# Allegro board REF_038HX-888005K4R-A100.brd (continued)
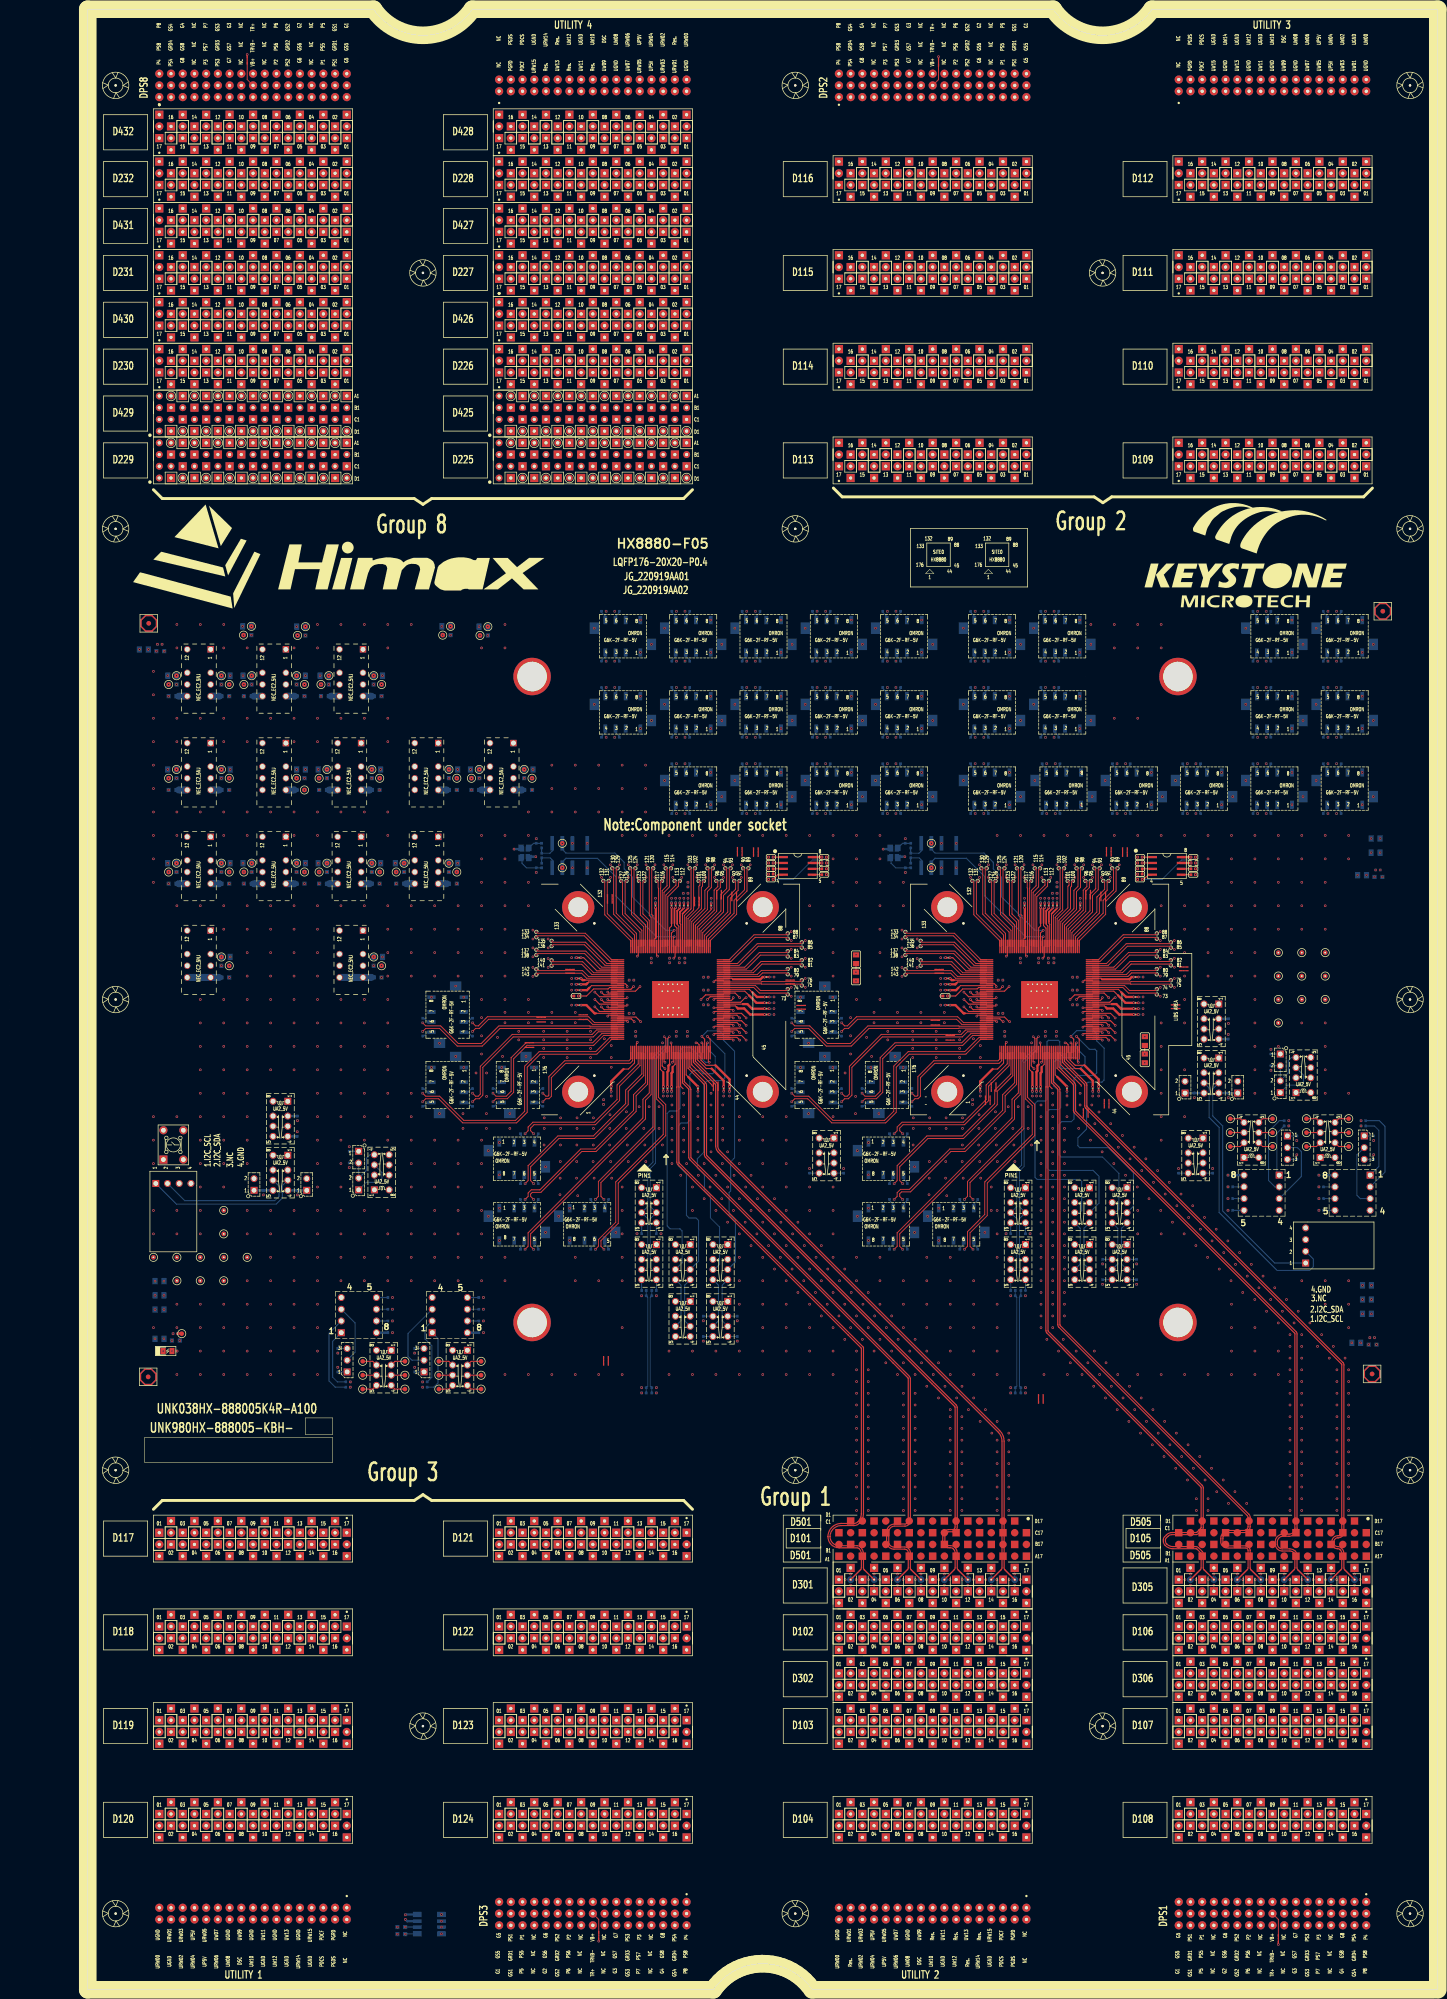
[diagram p0: board, top side]
## Routing (per net, layer and track width the routed paths; a pad name or vN(x,y) marks a point on that pad's centre or on a via; arc(x,y) is an arc through that point) (continued)
1SK1_2: length 3.3
  TOP w0.231: UNK2SK1.2 249.83,182.77 UNK1SK1_2.1
1SK1_3: length 3
  TOP w0.231: UNK2SK1.3 UNK1SK1_3.1
1SK1_4: length 3.3
  TOP w0.231: UNK1SK1_4.1 249.83,188.79 UNK2SK1.4
1SK1_5: length 3.3
  TOP w0.231: UNK1SK1_5.1 254.65,188.79 UNK2SK1.5
1SK1_6: length 3
  TOP w0.231: UNK2SK1.6 UNK1SK1_6.1
1SK1_7: length 3.3
  TOP w0.231: UNK1SK1_7.1 254.65,182.77 UNK2SK1.7
1SK2_2: length 3.3
  TOP w0.231: UNK1SK2_2.1 266.34,182.77 UNK2SK2.2
1SK2_3: length 3
  TOP w0.231: UNK2SK2.3 UNK1SK2_3.1
1SK2_4: length 3.3
  TOP w0.231: UNK2SK2.4 266.34,188.79 UNK1SK2_4.1
1SK2_5: length 3.3
  TOP w0.231: UNK2SK2.5 271.16,188.79 UNK1SK2_5.1
1SK2_6: length 3
  TOP w0.231: UNK2SK2.6 UNK1SK2_6.1
1SK2_7: length 3.3
  TOP w0.231: UNK2SK2.7 271.16,182.77 UNK1SK2_7.1
CSDPS225GS1: length 221.9
  L18_POWER w0.203: SH2.2 83.05,204.25 75.9,211.4 75.9,230.22 72.28,233.83 72.28,298.16 95.49,321.36 95.49,348.54 96.17,349.22 123.34,349.22 126.06,346.5 126.06,328.87 CSDPS225.D2
CSDPS225GS3: length 96.7
  L11_POWER w0.203: SH24.2 136.33,238.49 134.92,239.9 134.92,254.62 136.19,255.89 136.19,313.65 CSDPS225.D4
CSDPS225GS5: length 117.7
  L14_POWER w0.203: SH13.2 140.82,248.47 141.96,249.62 141.96,251.82 141.52,252.27 141.52,262.31 131.87,271.96 131.87,334.79 130.27,336.39 116.51,336.39 116.01,335.88 116.01,328.76 CSDPS225.D6
CSDPS225GS7: length 96.5
  L16_POWER w0.203: SH8.2 112.66,238.05 111.81,238.9 109.74,238.9 106.91,241.73 106.91,317.32 112.03,322.44 CSDPS225.D8
CSDPS225GS9: length 186.7
  L09_POWER w0.203: SH26.2 101.66,220.34 99.34,218.02 94.61,218.02 91.99,220.65 75.25,220.65 56.67,239.23 56.67,244.65 51.45,249.87 51.45,251.38 48.13,254.7 48.13,291.4 78.84,322.11 101.4,322.11 CSDPS225.D10
CSDPS225GS11: length 145.7
  L14_POWER w0.203: SH15.2 144.32,253.11 143.87,253.56 143.87,261.63 133.05,272.45 133.05,340.61 132.11,341.55 111.86,341.55 110.92,340.61 110.92,326.43 109.92,325.43 104.1,325.43 CSDPS225.D12
CSDPS225GS13: length 225.3
  L09_POWER w0.203: CSDPS225.D14 97.94,326.51 104.67,326.51 105.75,327.58 105.75,350.8 106.81,351.86 134.19,351.86 146.76,339.29 146.76,294.43 153.76,287.44 153.76,259.88 155.72,257.92 155.72,228.84 156.32,228.24 156.32,213.97 155.68,213.34 SH6.2
  L13_CBIT w0.203: CSDPS225.A13 98.06,334.01 98.06,328.93 CSDPS225.D14 95.52,328.93 92.98,328.93 CSDPS225.D16
CSDPS225P1: length 35.2
  TOP w0.231: 116.14,199.55 117.21,199.55 118.52,200.86 SITE1.3
  TOP w0.508: v1(113.47,195.75) 113.47,196.88 116.14,199.55
  L18_POWER w0.203: v1(118.77,206.69) 117.44,208.02 111.54,208.02 110.61,207.1 110.61,206.03 109.52,204.94 98.16,204.94 97.83,205.26 SH1.1
  vias: v1(94.6,264.49) v1(94.6,262.58) v1(111.81,192.9) v1(113.47,193.71)
CSDPS225P3: length 28.7
  TOP w0.231: 128.36,231.45 128.36,231.11 128.52,230.95 SITE1.105
  TOP w0.381: v1(129.21,234.54) 129.21,234.45 128.36,233.59 128.36,231.45
  L11_POWER w0.203: v1(129.43,223.59) 130.55,222.47 132.41,222.47 134.57,224.64 134.57,231.98 137.34,234.76 SH23.1
  vias: v1(78.3,264.49) v1(78.3,262.58) v1(129.21,236.58)
CSDPS225P5: length 44
  TOP w0.231: 127.75,231.12 127.75,230.9 128.12,230.53 SITE1.106
  TOP w0.381: v1(128.32,234.54) 128.32,234.39 127.75,233.82 127.75,231.12
  L14_POWER w0.203: SH14.1 141.84,245.35 140.69,244.2 140.69,238.47 139.38,237.15 139.38,228.33 132.81,221.76 127.96,221.76 127.56,222.17 127.56,222.92 v1(128.23,223.59)
  vias: v1(78.3,244.17) v1(78.3,242.26) v1(128.32,236.58) v1(129.1,237.66)
CSDPS225P7: length 45
  TOP w0.231: SITE1.25 127.32,200.56 126.77,200.01
  TOP w0.508: 126.77,200.01 126.77,198.9 126.55,198.68 v1(126.55,195.75)
  L16_POWER w0.203: SH7.1 113.68,227.62 121.76,219.55 121.76,208.6 122.56,207.8 126.46,207.8 v1(127.57,206.69)
  vias: v1(61.99,284.81) v1(61.99,282.9) v1(126.55,193.71)
CSDPS225P9: length 37.5
  TOP w0.231: SITE1.119 122.92,227.79 123.13,228.01 ; SITE1.139 110.36,220.83 107.5,223.69 v1(106.93,223.69)
  TOP w0.508: v1(123.06,234.54) 123.13,234.47 123.13,228.01
  L09_POWER w0.203: SH25.1 121.83,221.14 122.85,222.17 122.85,222.89 v1(122.16,223.59)
  vias: v1(51.85,264.49) v1(51.85,262.58) v1(104.89,223.69) v1(123.06,236.58)
CSDPS225P11: length 49.4
  TOP w0.231: 126.54,231.13 126.54,230.57 126.12,230.15 SITE1.111
  TOP w0.381: 126.54,231.13 v1(126.54,234.54)
  L14_POWER w0.203: SH16.1 145.33,240.67 140.56,235.9 140.56,227.84 133.83,221.1 125.84,221.1 125.24,221.7 125.24,222.71 v1(126.12,223.59)
  vias: v1(68.57,244.17) v1(68.57,242.26) v1(126.54,236.58) v1(130.1,240.04)
CSDPS225P13: length 50.6
  TOP w0.231: SITE1.22 126.12,200.54 ; SITE1.39 132.92,201.49 134.03,200.37 136.06,200.37 ; SITE1.104 128.92,233.21 ; SITE1.147 109.19,217.63 108.73,217.18 ; SITE1.64 141.98,213.63
  TOP w0.381: 128.92,233.21 130.1,234.39 v1(130.1,234.54)
  TOP w0.508: v1(106.93,216.66) 108.21,216.66 108.73,217.18 ; v1(139.12,195.75) 139.12,197.31 136.06,200.37 ; 141.98,213.63 142.98,213.63 143.97,212.64 v1(146.71,212.64) ; 126.12,200.54 125.87,200.28 125.87,199.17 125.66,198.96 v1(125.66,195.75)
  L09_POWER w0.203: v1(148.75,212.64) 148.86,212.54 SH5.1
  vias: v1(61.99,223.85) v1(61.99,221.94) v1(104.89,216.66) v1(125.66,193.71) v1(130.1,236.58) v1(134.48,213.47) v1(139.12,193.71)
CSDPS225PS1: length 219.3
  L18_POWER w0.203: SH1.2 83.04,205.26 76.61,211.7 76.61,230.68 73.07,234.22 73.07,297.93 98.11,322.97 98.11,345.75 98.79,346.42 122.6,346.42 123.41,345.61 123.41,326.84 124.27,325.98 128.13,325.98 CSDPS225.D1
CSDPS225PS3: length 96.4
  L11_POWER w0.203: SH23.2 137.34,239.05 136.83,239.56 136.83,248.36 137.21,248.73 137.21,254.5 138.43,255.72 138.43,313.96 CSDPS225.D3
CSDPS225PS5: length 133.7
  L14_POWER w0.203: SH14.2 141.84,248.48 142.54,249.19 142.54,252.06 142.1,252.51 142.1,262.55 132.45,272.2 132.45,337.15 130.6,339.01 114.14,339.01 113.41,338.27 113.41,326.36 113.92,325.85 117.84,325.85 CSDPS225.D5
CSDPS225PS7: length 97.3
  L16_POWER w0.203: CSDPS225.D7 114.57,323.94 107.65,317.01 107.65,242.04 110.05,239.64 112.12,239.64 113.68,238.08 SH7.2
CSDPS225PS9: length 186.6
  L09_POWER w0.203: SH25.2 101.23,221.14 98.98,218.89 94.97,218.89 92.35,221.52 75.61,221.52 57.54,239.59 57.54,245.01 52.32,250.23 52.32,251.74 49,255.06 49,291.04 79.2,321.24 103.07,321.24 CSDPS225.D9
CSDPS225PS11: length 148.3
  L14_POWER w0.203: SH16.2 145.33,261.03 133.66,272.7 133.66,343.41 132.95,344.11 108.69,344.11 107.98,343.41 107.98,326.9 107.38,326.3 105.77,326.3 CSDPS225.D11
CSDPS225PS13: length 232.3
  L09_POWER w0.203: SH5.2 156.29,212.54 157.14,213.39 157.14,257.82 154.7,260.27 154.7,287.83 147.71,294.82 147.71,339.68 132.98,354.41 104.04,354.41 103.16,353.54 103.16,329.54 102.55,328.92 101.45,328.92 100.19,327.66 CSDPS225.D13
  L13_CBIT w0.203: CSDPS225.D15 95.67,326.24 97.9,326.24 CSDPS225.D13 100.6,328.93 100.6,336.39 100.24,336.75 98.26,336.75 CSDPS225.A14
CSDPS229GS1: length 448.5
  L18_POWER w0.203: CSDPS229.D2 52.4,328.87 52.4,346.5 49.68,349.22 22.51,349.22 21.83,348.54 21.83,296.94 22.79,295.97 22.79,187.62 25.99,184.42 25.99,164.74 39.32,151.41 109.84,151.41 114.05,147.2 157.56,147.2 160.43,150.07 160.43,152.82 162.53,154.92 162.53,157.27 174.67,169.41 177.61,169.41 180.89,172.68 180.89,196.48 185.35,200.95 185.35,205.55 185.62,205.83 2SH2.2
CSDPS229GS3: length 243.7
  L11_POWER w0.203: 2SH24.2 216.33,238.76 214.91,240.17 214.91,254.37 169.51,299.77 169.51,313.27 130.8,351.98 84.22,351.98 57.74,325.5 50.69,325.5 CSDPS229.D4
CSDPS229GS5: length 263.7
  L14_POWER w0.203: CSDPS229.D6 42.21,328.9 42.21,340.93 42.91,341.63 57.3,341.63 62.42,346.74 137.32,346.74 161.42,322.64 192.45,322.64 218.09,297 218.09,260.47 219.1,259.46 219.1,255.13 220.82,253.41 2SH13.2
CSDPS229GS7: length 317.7
  L16_POWER w0.203: 2SH8.2 196.87,194.24 193.02,190.39 189.72,190.39 188.42,189.09 188.42,186.42 186.53,184.53 183.42,184.53 168.41,169.52 118.9,169.52 118.38,170.04 57.77,170.04 51.45,176.35 51.45,193.8 40.26,204.99 40.26,296.13 38.37,298.02 CSDPS229.D8
CSDPS229GS9: length 376.1
  L09_POWER w0.203: CSDPS229.D10 33.29,322.8 13.31,302.83 13.31,292.22 13.72,291.81 13.72,289.43 13.31,289.03 13.31,234.37 20.53,227.16 28.49,227.16 31.53,224.12 31.53,170.66 36.14,166.05 115.76,166.05 117.06,167.34 163.45,167.34 172.91,176.81 174.37,176.81 180.58,183.02 180.58,208.4 179.51,209.47 179.51,216.94 182.91,220.34 2SH26.2
CSDPS229GS11: length 289.6
  L14_POWER w0.203: 2SH15.2 224.32,251.58 220.29,255.61 220.29,259.95 219.27,260.96 219.27,297.49 192.94,323.82 161.91,323.82 133.94,351.79 61.72,351.79 56.64,346.71 37.87,346.71 37.3,346.14 37.3,326.23 36.5,325.43 30.44,325.43 CSDPS229.D12
CSDPS229GS13: length 389.7
  L09_POWER w0.203: CSDPS229.D14 24.28,326.51 31.01,326.51 32.09,327.58 32.09,350.8 33.15,351.86 60.07,351.86 70.17,361.96 136.39,361.96 157.35,341 157.35,327.61 174.54,310.42 231.96,310.42 246.49,295.89 246.49,222.16 237.8,213.47 2SH6.2
  L13_CBIT w0.203: CSDPS229.A13 24.4,334.01 24.4,328.93 CSDPS229.D14 21.86,328.93 19.32,328.93 CSDPS229.D16
CSDPS229P1: length 22.2
  TOP w0.231: SITE2.3 198.52,200.86 197.21,199.55 196.14,199.55
  TOP w0.508: 196.14,199.55 193.47,196.88 v1(193.47,195.75)
  L18_POWER w0.203: 2SH1.1 190.32,206.84 191.13,207.65 197.81,207.65 v1(198.77,206.69)
  vias: v1(45.28,284.81) v1(45.28,282.9) v1(191.81,192.9) v1(193.47,193.71)
CSDPS229P3: length 28.7
  TOP w0.231: SITE2.105 208.52,230.95 208.36,231.11 208.36,231.45
  TOP w0.381: v1(209.21,234.54) 209.21,234.45 208.36,233.59 208.36,231.45
  L11_POWER w0.203: v1(209.43,223.59) 210.55,222.47 212.41,222.47 214.57,224.64 214.57,231.98 217.34,234.76 2SH23.1
  vias: v1(45.28,264.49) v1(45.28,262.58) v1(209.21,236.58)
CSDPS229P5: length 44
  TOP w0.231: 207.75,231.12 207.75,230.9 208.12,230.53 SITE2.106
  TOP w0.381: v1(208.32,234.54) 208.32,234.39 207.75,233.82 207.75,231.12
  L14_POWER w0.203: 2SH14.1 221.84,245.35 220.69,244.2 220.69,238.47 219.38,237.15 219.38,228.33 212.81,221.76 207.96,221.76 207.56,222.17 207.56,222.92 v1(208.23,223.59)
  vias: v1(45.28,244.17) v1(45.28,242.26) v1(208.32,236.58) v1(209.1,237.66)
CSDPS229P7: length 31.8
  TOP w0.231: SITE2.25 207.32,200.56 206.77,200.01
  TOP w0.508: 206.77,200.01 206.77,198.9 206.55,198.68 v1(206.55,195.75)
  L16_POWER w0.203: v1(207.57,206.69) 205.15,209.11 198.48,209.11 197.55,208.18 197.55,198.99 195.85,197.3 2SH7.1
  vias: v1(28.97,284.81) v1(28.97,282.9) v1(206.55,193.71)
CSDPS229P9: length 37.7
  TOP w0.231: SITE2.119 202.92,227.79 203.13,228.01 ; v1(186.93,223.69) 187.5,223.69 190.36,220.83 SITE2.139
  TOP w0.508: v1(203.06,234.54) 203.13,234.47 203.13,228.01
  L09_POWER w0.203: 2SH25.1 202.07,221.14 202.88,221.95 202.88,222.87 v1(202.16,223.59)
  vias: v1(19.24,264.49) v1(19.24,262.58) v1(184.89,223.69) v1(203.06,236.58)
CSDPS229P11: length 49.4
  TOP w0.231: SITE2.111 206.12,230.15 206.54,230.57 206.54,231.13
  TOP w0.381: 206.54,231.13 v1(206.54,234.54)
  L14_POWER w0.203: v1(206.12,223.59) 205.24,222.71 205.24,221.7 205.84,221.1 213.83,221.1 220.56,227.84 220.56,235.9 225.33,240.67 2SH16.1
  vias: v1(35.55,244.17) v1(35.55,242.26) v1(206.54,236.58) v1(210.1,240.04)
CSDPS229P13: length 51.8
  TOP w0.231: SITE2.22 206.12,200.54 ; SITE2.104 208.92,233.21 ; 188.73,217.18 189.19,217.63 SITE2.147 ; SITE2.39 212.92,201.49 214.03,200.37 216.06,200.37 ; SITE2.64 221.98,213.63
  TOP w0.381: v1(210.1,234.54) 210.1,234.39 208.92,233.21
  TOP w0.508: v1(205.66,195.75) 205.66,198.96 205.86,199.17 205.86,200.28 206.12,200.54 ; v1(219.12,195.75) 219.12,197.31 216.06,200.37 ; 188.73,217.18 188.21,216.66 v1(186.93,216.66) ; 221.98,213.63 222.98,213.63 223.97,212.64 v1(226.71,212.64)
  L09_POWER w0.203: v1(228.75,212.64) 228.78,212.66 2SH5.1
  vias: v1(28.97,223.85) v1(28.97,221.94) v1(184.89,216.66) v1(205.66,193.71) v1(210.1,236.58) v1(214.48,213.47) v1(219.12,193.71)
CSDPS229PS1: length 445.5
  L18_POWER w0.203: 2SH1.2 185.46,206.84 184.64,206.02 184.64,201.24 180.17,196.78 180.17,172.98 177.31,170.12 174.37,170.12 161.82,157.57 161.82,155.22 159.71,153.12 159.71,150.36 157.27,147.92 114.35,147.92 110.14,152.13 39.61,152.13 26.71,165.03 26.71,184.71 23.51,187.92 23.51,295.99 24.45,296.94 24.45,345.75 25.13,346.42 48.94,346.42 49.75,345.61 49.75,326.84 50.61,325.98 54.47,325.98 CSDPS229.D1
CSDPS229PS3: length 244.1
  L11_POWER w0.203: CSDPS229.D3 52.51,326.22 56.8,326.22 84.83,354.25 130.73,354.25 131.9,353.08 172.54,312.44 172.54,303.8 191.31,285.03 191.31,279.47 216.85,253.92 216.85,239.82 217.34,239.32 2SH23.2
CSDPS229PS5: length 277.6
  L14_POWER w0.203: CSDPS229.D5 44.68,326.35 40.86,326.35 39.55,327.67 39.55,343.27 40.34,344.07 56.68,344.07 61.73,349.12 135.76,349.12 161.66,323.22 192.7,323.22 218.67,297.24 218.67,260.71 219.68,259.7 219.68,255.37 221.84,253.21 2SH14.2
CSDPS229PS7: length 314.5
  L16_POWER w0.203: 2SH7.2 195.85,194.14 192.75,191.04 189.45,191.04 187.78,189.36 187.78,186.69 186.26,185.18 183.15,185.18 168.34,170.36 125.13,170.36 123.76,171.73 119.42,171.73 118.37,170.68 59.37,170.68 52.1,177.95 52.1,194.07 40.91,205.26 CSDPS229.D7
CSDPS229PS9: length 374.4
  L09_POWER w0.203: 2SH25.2 182.76,221.14 178.73,217.12 178.73,209.09 179.92,207.9 179.92,183.01 174.18,177.26 172.72,177.26 164.96,169.51 118.1,169.51 115.43,166.84 38.05,166.84 32.33,172.56 32.33,224.45 28.82,227.96 20.86,227.96 15.06,233.76 15.06,288.63 14.23,289.46 14.23,291.67 15.06,292.51 15.06,303.44 35.83,324.21 CSDPS229.D9
CSDPS229PS11: length 289.9
  L14_POWER w0.203: 2SH16.2 225.33,251.43 220.89,255.87 220.89,260.2 219.88,261.22 219.88,297.74 193.2,324.43 162.16,324.43 132.37,354.22 61.38,354.22 56.67,349.51 35.91,349.51 34.56,348.16 34.56,327.14 33.72,326.3 32.11,326.3 CSDPS229.D11
CSDPS229PS13: length 397.6
  L09_POWER w0.203: 2SH5.2 237.98,212.66 247.19,221.87 247.19,298.76 233.01,312.94 175.58,312.94 159.87,328.65 159.87,342.04 137.44,364.48 69.09,364.48 59.02,354.41 30.38,354.41 29.5,353.54 29.5,329.54 28.89,328.92 27.79,328.92 26.53,327.66 CSDPS229.D13
  L13_CBIT w0.203: CSDPS229.A14 24.6,336.75 26.58,336.75 26.94,336.39 26.94,328.93 CSDPS229.D13 24.24,326.24 22.01,326.24 CSDPS229.D15
CSDPS425GS1: length 156
  L09_POWER w0.203: CSDPS425.D2 126.27,338.82 126.27,346.07 126.98,346.79 127.87,346.79 128.73,347.65 135.48,347.65 137.57,345.56 137.57,300.23 146.54,291.27 146.54,262.07 154.25,254.35 154.25,229.24 153.48,228.47 153.48,219.03 153.28,218.83 SH11.2
CSDPS425GS3: length 244.7
  L20_SIGNAL w0.203: SH19.2 111.82,138.74 89.77,160.79 88.55,160.79 87.05,162.29 87.05,163.68 76.95,173.78 76.95,234.44 73.74,237.65 73.74,274.49 81.97,282.72 81.97,299.83 106.68,324.54 118.85,324.54 120.96,326.65 120.96,336.59 CSDPS425.D4
CSDPS425GS7: length 122.5
  L11_POWER w0.203: CSDPS425.D8 113.3,336.55 130.51,336.55 139.54,327.51 139.54,253.32 138.96,252.74 138.96,245.64 138.79,245.47 138.79,239.29 139.61,238.46 SH17.2
CSDPS425GS9: length 340.2
  L20_SIGNAL w0.203: SH21.2 136.63,194.62 136.71,194.54 136.71,178.15 135.49,176.93 135.49,167.42 137.57,165.34 137.57,136.34 127.46,126.22 99.43,126.22 87.96,137.69 87.96,157.14 71.9,173.2 71.9,275 80.31,283.41 80.31,300.49 105.71,325.9 105.71,336.58 CSDPS425.D10
CSDPS425GS11: length 158.4
  L18_POWER w0.203: CSDPS425.D12 100.58,336.53 100.58,323.61 74.2,297.22 74.2,234.36 77.33,231.23 77.33,216.12 81.07,212.38 86.1,212.38 89.73,208.75 96.07,208.75 97.08,209.77 SH4.2
CSDPS425GS13: length 128.9
  L16_POWER w0.203: SH9.2 131.53,240.11 126.58,245.06 123.41,245.06 118.05,250.42 118.05,335.7 117.53,336.22 98.39,336.22 CSDPS425.D14
CSDPS425GS15: length 240.9
  L11_POWER w0.203: SH28.2 104.61,210.29 103.72,211.18 87.69,211.18 87.06,211.81 58.89,211.81 48.47,222.23 48.47,302.75 66.15,320.44 66.15,330.27 85.12,349.24 97.9,349.24 100.62,346.52 100.62,337.64 99.59,336.61 92.92,336.61 CSDPS425.D16
CSDPS425P1: length 22.6
  TOP w0.231: 139.86,219.01 139.64,219.23 SITE1.78 ; v1(135.14,234.54) 135.14,234.13 131.72,230.71 SITE1.97
  TOP w0.508: 139.86,219.01 145.8,219.01 146.29,219.5 v1(146.71,219.5)
  L09_POWER w0.203: SH12.1 150.23,218.03 v1(148.75,219.5)
  vias: v1(61.58,264.49) v1(61.58,262.58) v1(134.48,219.47) v1(135.14,236.58)
CSDPS425P3: length 12.1
  L20_SIGNAL w0.203: SH20.1 112.84,131.48 114,130.32 119.88,130.32 v1(120.06,130.5)
  vias: v1(86.73,295.44) v1(86.73,293.53) v1(123.26,130.5)
CSDPS425P7: length 31.6
  TOP w0.231: 144.04,216.19 143.41,216.83 SITE1.72
  TOP w0.508: v1(146.71,215.18) 145.05,215.18 144.04,216.19
  L11_POWER w0.203: 134.71,216.89 134.71,218.59 137,220.88 137,231.23 140.63,234.86 SH18.1
  vias: v1(61.58,244.17) v1(61.58,242.26) v1(134.48,216.67) v1(148.75,215.18)
CSDPS425P9: length 59.1
  L20_SIGNAL w0.203: SH22.1 135.62,199.42 138.33,202.14 157.46,202.14 165.42,194.18 165.42,179.57 v1(163.84,177.99)
  BOTTOM w0.508: U2.8 C9.1 ; U1.8 C8.1
  vias: v1(38.08,172.27) v1(45.45,188.37) v1(45.44,172.27) v1(54.2,134.91) v1(56.92,131.75) v1(56.92,130.61) v1(66.06,150.04) v1(66.06,147.5) v1(66.06,144.96) v1(70.86,134.91) v1(72.59,131.75) v1(72.59,130.61) v1(78.65,295.51) v1(78.65,293.6) v1(85.77,150.04) v1(85.77,147.5) v1(85.77,144.96) v1(156.45,177.99)
CSDPS425P11: length 85.3
  TOP w0.231: SITE1.162 110.12,211.63 ; 108.32,218.18 108.57,218.43 SITE1.145 ; 124.77,198.85 124.12,199.5 SITE1.17 ; 143.33,215.53 142.43,216.43 SITE1.71 ; SITE1.107 127.72,230.11 127.18,230.65 127.18,231.16 ; SITE1.37 132.12,201.59 134.06,199.66 135.22,199.66 ; SITE1.63 140.38,213.23 140.69,212.93
  TOP w0.381: 127.18,231.16 127.18,234.28 v1(127.43,234.54)
  TOP w0.508: v1(106.93,217.93) 108.07,217.93 108.32,218.18 ; 140.69,212.93 140.94,212.67 142.29,212.67 143.6,211.37 v1(146.71,211.37) ; 135.22,199.66 137.85,197.02 v1(137.85,195.75) ; 143.33,215.53 144.94,213.91 v1(146.71,213.91) ; 110.12,211.63 109.86,211.63 108.08,213.41 v1(106.93,213.41) ; 124.77,198.85 v1(124.77,195.75)
  L18_POWER w0.203: v1(117.36,211.63) 117.77,211.22 117.77,209.52 117.3,209.04 112.2,209.04 110.46,210.79 SH3.1
  vias: v1(56.69,178.19) v1(84.87,264.49) v1(84.87,262.58) v1(104.89,217.93) v1(104.89,213.41) v1(124.77,193.71) v1(127.43,236.58) v1(137.85,193.71) v1(148.75,213.91) v1(148.75,211.37)
CSDPS425P13: length 38.2
  TOP w0.231: 130.16,197.85 129.72,198.29 SITE1.31
  TOP w0.508: 130.16,197.85 v1(132.26,195.75)
  L16_POWER w0.203: v1(129.97,206.69) 131.96,208.68 131.96,220.63 132.55,221.21 SH10.1
  vias: v1(52.26,284.81) v1(52.26,282.9) v1(132.26,193.71)
CSDPS425P15: length 26.3
  TOP w0.231: SITE1.144 107.69,218.83
  TOP w0.508: 107.69,218.83 107.3,218.83 v1(106.93,219.2)
  L11_POWER w0.203: v1(117.36,218.83) 118.04,218.15 118.79,218.15 119.02,217.93 119.02,213.82 117.75,212.56 116.79,212.56 116.35,212.11 111.65,212.11 110.85,211.31 SH27.1
  vias: v1(51.85,244.17) v1(51.85,242.26) v1(104.89,219.2)
CSDPS425PS1: length 170.3
  L09_POWER w0.203: SH12.2 153.61,218.03 154.1,218.52 154.1,228 154.85,228.76 154.85,254.4 146.99,262.26 146.99,291.46 138.24,300.21 138.24,346.06 135.12,349.18 124.76,349.18 123.48,347.9 123.48,337.49 124.21,336.76 128.75,336.76 CSDPS425.D1
CSDPS425PS3: length 246.1
  L20_SIGNAL w0.203: CSDPS425.D3 123.58,336.67 123.58,326.9 120.1,323.42 106.76,323.42 83.09,299.75 83.09,282.26 74.68,273.85 74.68,238.25 77.77,235.17 77.77,174.29 87.99,164.07 87.99,162.68 88.94,161.73 90.16,161.73 112.84,139.06 SH20.2
CSDPS425PS7: length 123.2
  L11_POWER w0.203: SH18.2 140.63,240.04 140.69,240.1 140.69,245.67 140.15,246.21 140.15,251.45 141.3,252.59 141.3,328.28 130.61,338.97 116.54,338.97 115.39,337.82 CSDPS425.D7
CSDPS425PS9: length 338.2
  L20_SIGNAL w0.203: SH22.2 135.62,194.78 135.9,194.49 135.9,188.96 135.9,188.95 135.9,178.48 134.23,176.81 134.23,167.54 136.77,165 136.77,136.9 127.06,127.19 99.83,127.19 88.93,138.09 88.93,157.54 73.66,172.8 73.66,212.46 72.87,213.26 72.87,274.86 81.09,283.08 81.09,300.17 108.29,327.36 108.29,336.62 CSDPS425.D9
CSDPS425PS11: length 154.4
  L18_POWER w0.203: SH3.2 90.17,210.79 87.86,213.1 81.37,213.1 78.05,216.42 78.05,234.49 80.84,237.28 80.84,302.85 103.08,325.09 103.08,336.49 CSDPS425.D11
CSDPS425PS13: length 129.3
  L16_POWER w0.203: CSDPS425.D13 100.47,338.97 120.03,338.97 121.01,337.98 121.01,268.37 122.8,266.58 122.8,254.43 132.99,244.24 132.99,238.48 132.55,238.04 SH10.2
CSDPS425PS15: length 225.5
  L11_POWER w0.203: SH27.2 106.14,211.31 105.81,210.98 104.96,210.98 103.4,212.55 59.2,212.55 49.21,222.54 49.21,302.45 68.74,321.97 68.74,330.1 85.3,346.65 97.22,346.65 98.06,345.81 98.06,339.65 97.38,338.97 95.4,338.97 CSDPS425.D15
CSDPS429GS1: length 311.9
  L09_POWER w0.203: 2SH11.2 239.44,221.67 240.32,222.55 240.32,224.66 243.43,227.77 243.43,291.78 229.86,305.35 172.44,305.35 152.28,325.51 152.28,338.9 134.29,356.88 71.05,356.88 62.28,348.11 55.53,348.11 54.21,346.79 53.32,346.79 52.61,346.07 52.61,338.82 CSDPS429.D2
CSDPS429GS5: length 414.9
  L20_SIGNAL w0.203: 2SH19.2 207.11,122.57 202,117.46 166.22,117.46 152.73,103.97 66.93,103.97 25.22,145.69 25.22,199.9 27.81,202.49 33.52,202.49 40.24,209.21 40.24,306.34 42.36,308.46 42.36,336.73 CSDPS429.D6
CSDPS429GS7: length 257.4
  L11_POWER w0.203: CSDPS429.D8 39.73,336.46 65.67,336.46 86.01,356.8 130.52,356.8 133.56,353.76 218.77,268.55 218.77,239.82 219.61,238.98 2SH17.2
CSDPS429GS9: length 502.3
  L20_SIGNAL w0.203: CSDPS429.D10 34.48,336.63 34.48,301.18 38.96,296.7 38.96,279.56 38.06,278.66 38.06,274.2 38.97,273.29 38.97,257.86 38.18,257.07 38.18,252.94 38.97,252.15 38.97,237.82 38.15,237 38.15,210.22 31.78,203.85 26.9,203.85 22.89,199.85 22.89,178.59 21.08,176.77 21.08,171.94 22.72,170.3 22.72,146.39 66.41,102.7 153.35,102.7 155.31,104.67 200.87,104.67 223.69,127.48 223.69,130.43 225.86,132.6 225.86,147.81 224.07,149.6 224.07,179.83 222.65,181.24 222.65,189.15 221.37,190.44 2SH21.2
CSDPS429GS11: length 380.2
  L18_POWER w0.203: 2SH4.2 182.47,209.11 180.39,207.03 180.39,200.59 178.05,198.25 178.05,179.7 173.19,174.84 173.19,171.49 158.44,156.75 158.44,154.68 155.72,151.95 151.02,151.95 150.29,151.22 114.69,151.22 111.21,154.7 40.68,154.7 27.75,167.63 27.75,214.64 24.36,218.03 24.36,233.38 25.39,234.42 25.39,236.21 24.33,237.27 24.33,253.49 25.56,254.72 25.56,256.45 24.36,257.65 24.36,274.29 25.51,275.44 25.51,277.28 24.25,278.54 24.25,294.6 26.92,297.27 26.92,336.53 CSDPS429.D12
CSDPS429GS13: length 482.3
  L16_POWER w0.203: CSDPS429.D14 24.35,336.6 31.32,336.6 32,337.28 32,346.86 29.56,349.31 14.62,349.31 11.12,345.81 11.12,324.29 14.02,321.4 14.02,303.48 9.46,298.93 9.46,286.44 12.8,283.1 12.8,172.43 44.78,140.45 86.33,140.45 89.9,136.87 174.25,136.87 197.06,159.68 218.09,159.68 219.82,161.42 219.82,176.9 216.08,180.64 216.08,184.93 216.83,185.68 2SH9.2
CSDPS429GS15: length 462.1
  L11_POWER w0.203: 2SH28.2 195.61,186.76 183.74,174.89 183.74,158.02 172.7,146.98 165.76,146.98 164.63,145.85 164.63,143.37 157.63,136.38 91.92,136.38 87.69,140.61 34.18,140.61 12.66,162.13 12.66,276.82 8.41,281.07 8.41,300.63 12.66,304.89 12.66,316.82 6.33,323.15 6.33,344.13 11.44,349.24 24.24,349.24 26.96,346.52 26.96,337.64 25.93,336.61 19.26,336.61 CSDPS429.D16
CSDPS429P1: length 28.3
  TOP w0.231: v1(215.14,234.54) 215.14,234.13 211.72,230.71 SITE2.97 ; SITE2.78 219.64,219.23 219.86,219.01
  TOP w0.508: v1(226.71,219.5) 226.29,219.5 225.8,219.01 219.86,219.01
  L09_POWER w0.203: 2SH12.1 235.03,220.87 233.13,218.97 229.28,218.97 v1(228.75,219.5)
  vias: v1(28.97,264.49) v1(28.97,262.58) v1(214.48,219.47) v1(215.14,236.58)
CSDPS429P5: length 4.4
  L20_SIGNAL w0.203: 2SH20.1 206.09,129.94 205.57,130.46 203.3,130.46 v1(203.26,130.5)
  vias: v1(47.18,295.44) v1(47.18,293.53) v1(200.06,130.5)
CSDPS429P7: length 31.9
  TOP w0.231: SITE2.72 223.41,216.83 224.04,216.19
  TOP w0.508: 224.04,216.19 225.05,215.18 v1(226.71,215.18)
  L11_POWER w0.203: 2SH18.1 220.63,234.86 217,231.23 217,220.88 214.71,218.59 214.71,216.89 v1(214.48,216.67)
  vias: v1(28.97,244.17) v1(28.97,242.26) v1(228.75,215.18)
CSDPS429P9: length 48.7
  L20_SIGNAL w0.203: 2SH22.1 220.35,195.65 219.41,196.59 219.41,199.75 232.75,213.08 240.35,213.08 241.08,212.35 246.51,212.35 246.89,211.98 246.89,209.83 v1(247.26,209.45)
  BOTTOM w0.508: UNK2U2.8 UNK2C9.1 ; UNK2U1.8 UNK2C8.1
  vias: v1(35.47,295.51) v1(35.47,293.6) v1(236.45,177.99) v1(239.88,193.35) v1(243.84,177.99) v1(247.17,174.02) v1(247.17,171.48) v1(247.17,168.94) v1(247.25,193.35) v1(260.35,188.37) v1(260.35,187.23) v1(262.07,184.06) v1(266.88,174.02) v1(266.88,171.48) v1(266.88,168.94) v1(276.01,188.37) v1(276.01,187.23) v1(278.74,184.06)
CSDPS429P11: length 77.2
  TOP w0.231: 223.33,215.53 222.43,216.43 SITE2.71 ; SITE2.17 204.12,199.5 204.77,198.85 ; SITE2.37 212.12,201.59 214.06,199.66 215.22,199.66 ; SITE2.63 220.38,213.23 220.69,212.93 ; 188.32,218.18 188.57,218.43 SITE2.145 ; SITE2.107 207.72,230.11 207.18,230.65 207.18,231.16 ; SITE2.162 190.12,211.63
  TOP w0.381: v1(207.43,234.54) 207.18,234.28 207.18,231.16
  TOP w0.508: v1(226.71,211.37) 223.6,211.37 222.29,212.67 220.94,212.67 220.69,212.93 ; 188.32,218.18 188.07,217.93 v1(186.93,217.93) ; v1(217.85,195.75) 217.85,197.02 215.22,199.66 ; v1(226.71,213.91) 224.94,213.91 223.33,215.53 ; v1(186.93,213.41) 188.08,213.41 189.86,211.63 190.12,211.63 ; 204.77,198.85 v1(204.77,195.75)